# KiCad board sensorboard.kicad_pcb
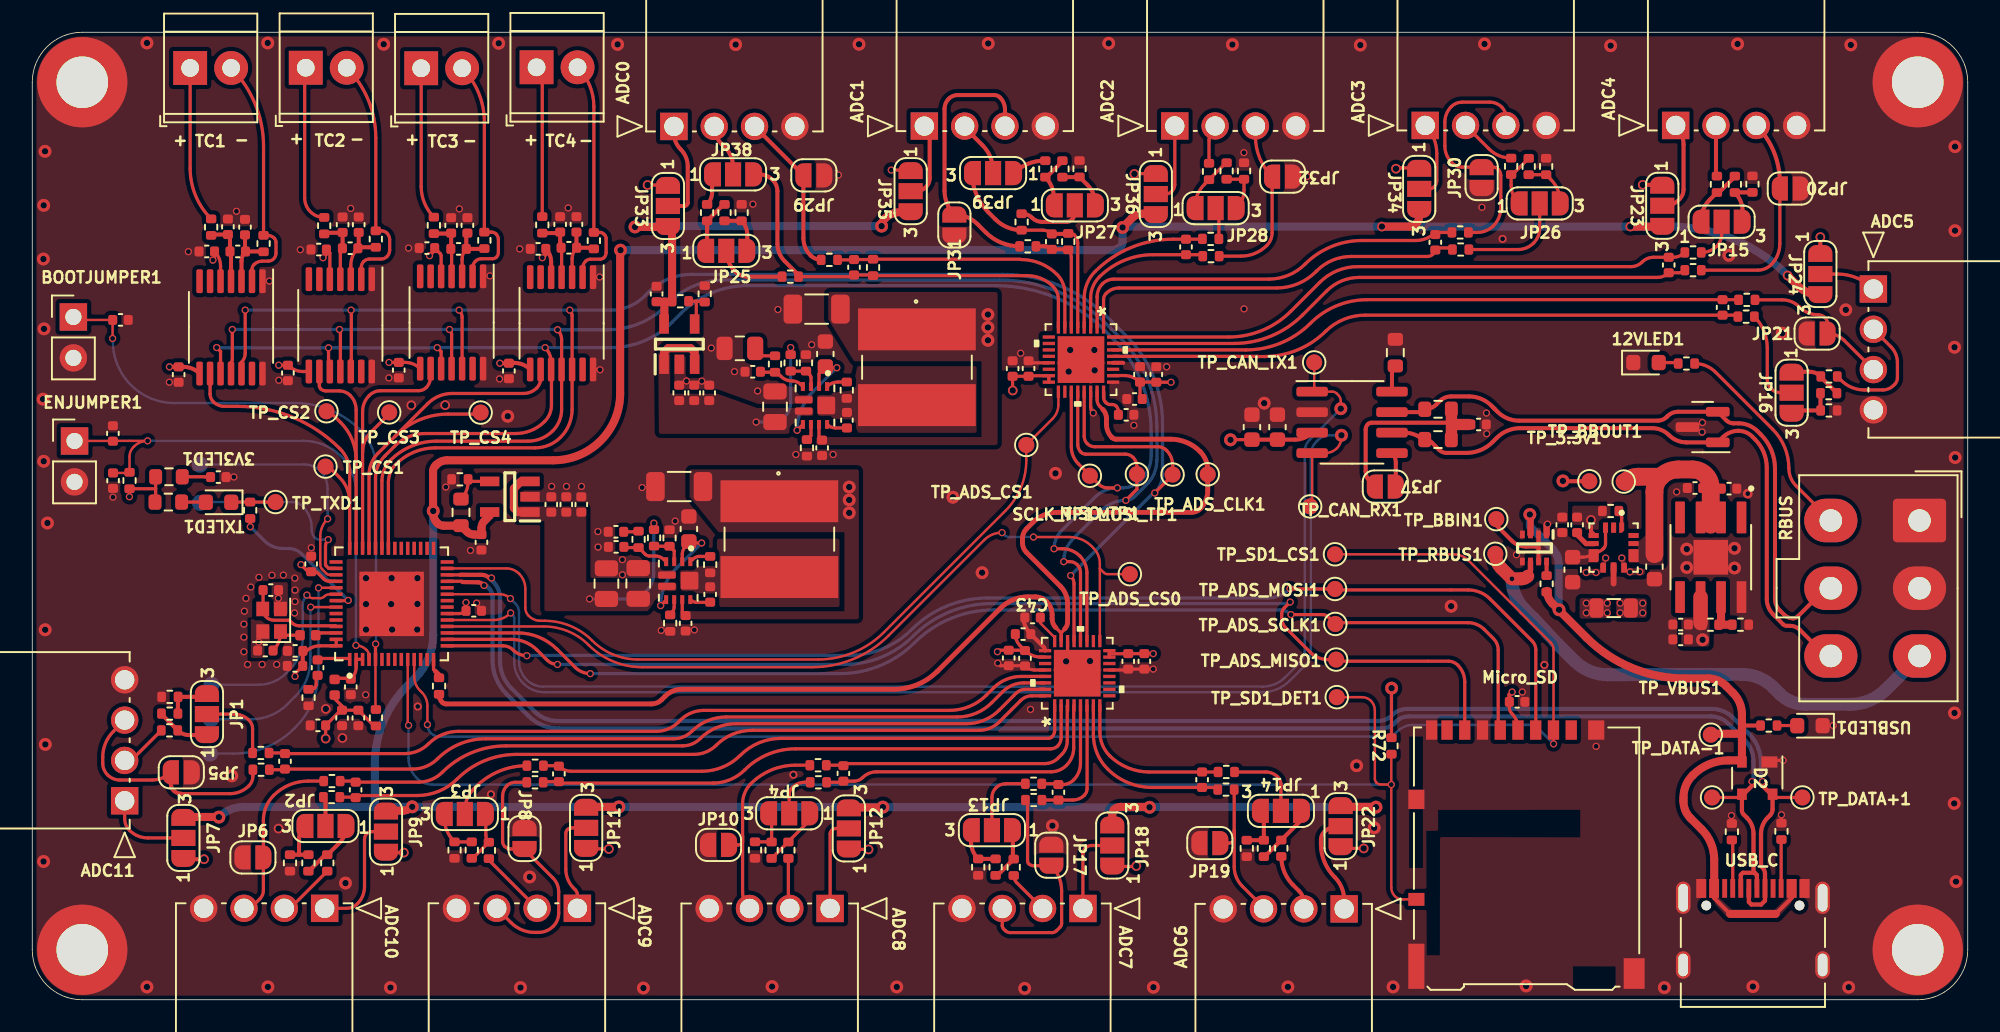
[diagram p0: board, top side]
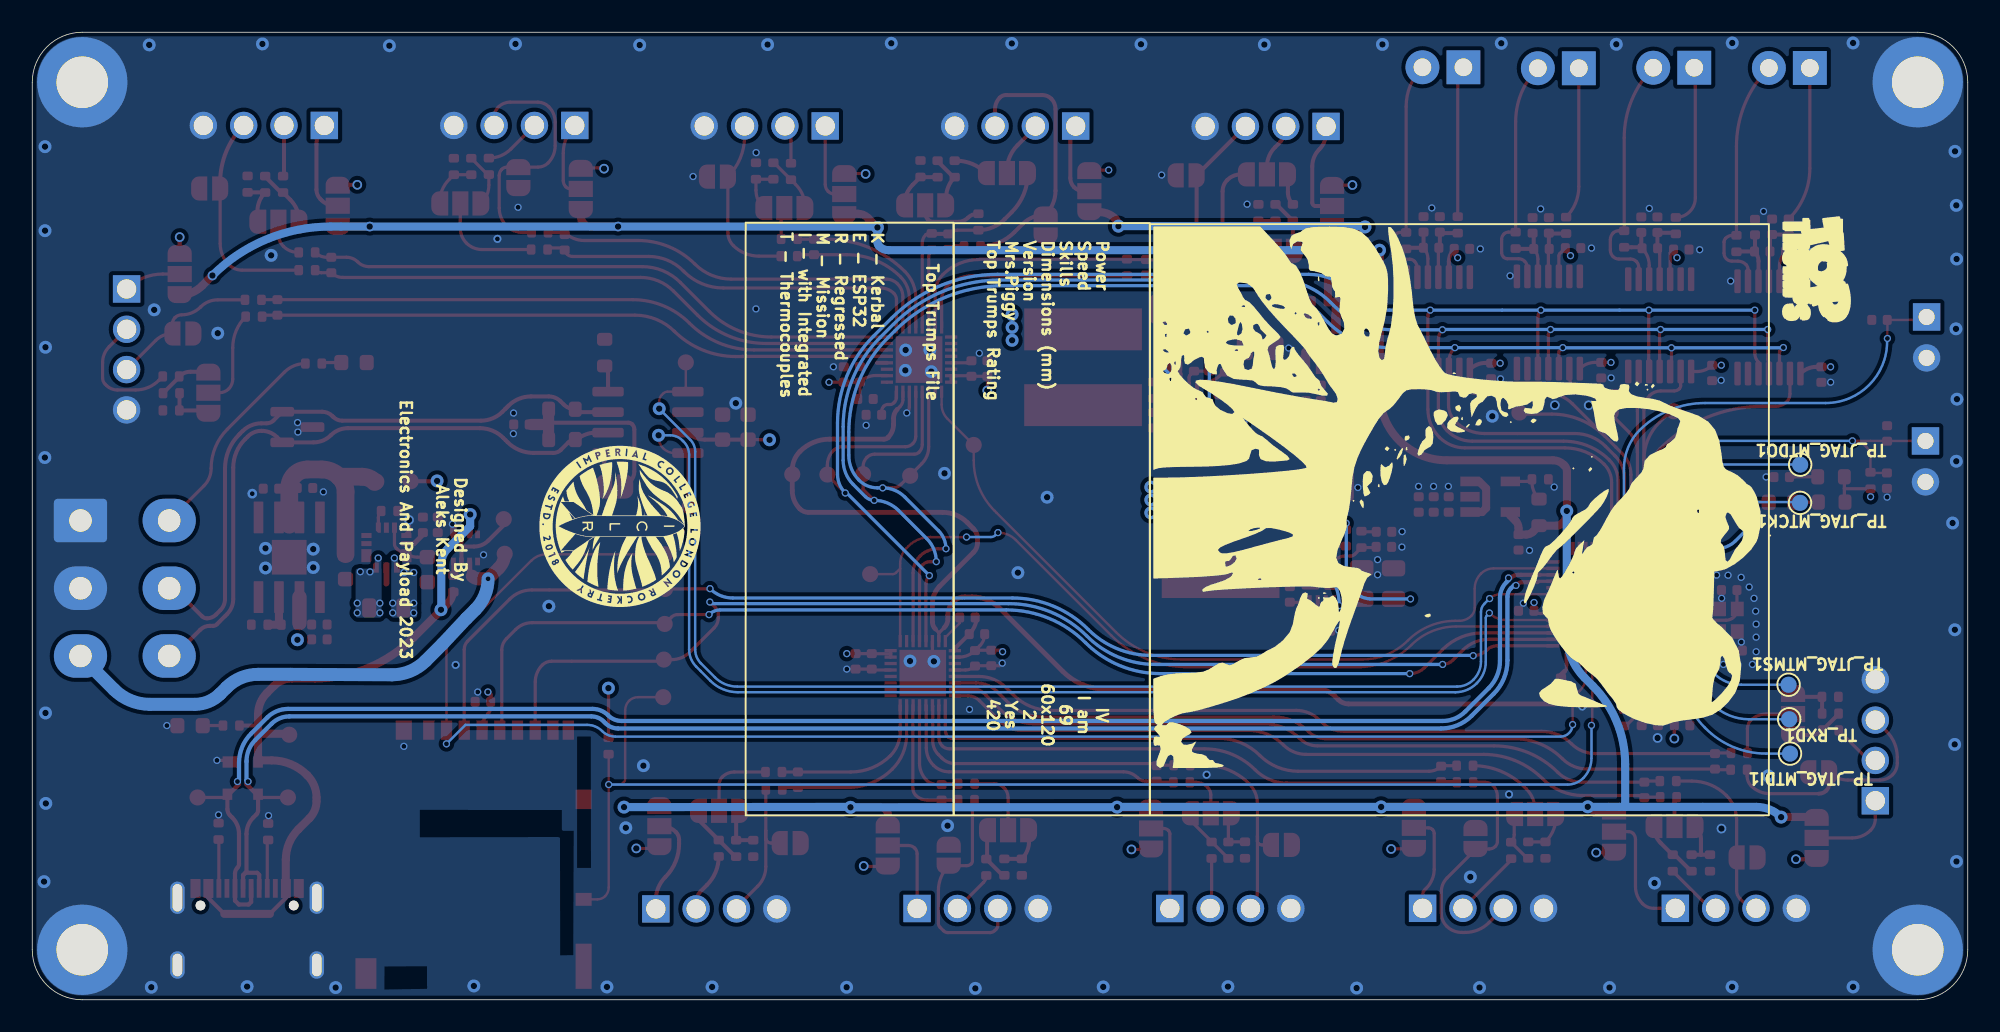
[diagram p1: board, bottom side, seen from below]

Outline 120 x 60 mm; copper layers: Top, In1.Cu, In2.Cu, Bottom. Coordinates in mm from the lower left corner of the outline.
Outline path: 0,56.9 arc(0.91,59.09) 3.1,60 116.9,60 arc(119.09,59.09) 120,56.9 120,3.1 arc(119.09,0.91) 116.9,0 3.1,0 arc(0.91,0.91) 0,3.1 0,56.9
Stack: Top 0.035mm / dielectric 0.2104mm FR4 er 4.5 / In1.Cu 0.0152mm / dielectric 1.065mm FR4 er 4.5 / In2.Cu 0.0152mm / dielectric 0.2104mm FR4 er 4.5 / Bottom 0.035mm

## Placement (name value [footprint] x y rotation side)
3V3LED1  3V3LED  [C_0402_1005Metric]  11.53 32.41 180 top
12VLED1  12V_LED  [LED_0603_1608Metric]  100.05 39.52 0 top
BOOTJUMPER1  Conn_01x02_Male  [PinHeader_1x02_P2.54mm_Vertical]  2.55 42.34 0 top
C1  10uF  [C_0402_1005Metric]  17.71 17.02 180 top
C2  0.1uF  [C_0402_1005Metric]  5 35.12 90 top
C3  1uF  [C_0402_1005Metric]  19.21 17.48 270 top
C4  0.1uF  [C_0402_1005Metric]  20.22 17.48 270 top
C5  0.1uF  [C_0402_1005Metric]  19.75 19.4 270 top
C6  1uF  [C_0402_1005Metric]  5.01 32.19 270 top
C7  1uF  [C_0402_1005Metric]  16.29 20.71 180 top
C8  10nF  [C_0402_1005Metric]  16.3 21.64 180 top
C9  0.1uF  [C_0402_1005Metric]  27.38 24.12 0 top
C10  0.1uF  [C_0402_1005Metric]  17.29 27.03 90 top
C11  4.2pF  [C_0402_1005Metric]  17.69 20.6 90 top
C12  0.1uF  [C_0402_1005Metric]  5.47 42.16 0 top
C13  C  [C_0402_1005Metric]  14.79 25.41 0 top
C14  C  [C_0402_1005Metric]  14.45 21.66 180 top
C15  0.01uF  [C_0402_1005Metric]  19.24 48.07 270 top
C16  0.1uF  [C_0402_1005Metric]  19.71 46.61 0 top
C17  0.01uF  [C_0402_1005Metric]  20.24 48.07 90 top
C18  0.1uF  [C_0402_1005Metric]  17.76 46.53 0 top
C19  0.01uF  [C_0402_1005Metric]  25.97 48.02 270 top
C20  0.1uF  [C_0402_1005Metric]  26.43 46.56 0 top
C21  0.01uF  [C_0402_1005Metric]  26.98 48.02 90 top
C22  0.1uF  [C_0402_1005Metric]  24.47 46.62 0 top
C23  0.01uF  [C_0402_1005Metric]  12.13 47.94 270 top
C24  0.1uF  [C_0402_1005Metric]  12.74 46.41 0 top
C25  0.01uF  [C_0402_1005Metric]  13.19 47.92 90 top
C26  0.1uF  [C_0402_1005Metric]  10.82 46.41 0 top
C27  0.01uF  [C_0402_1005Metric]  32.73 48.09 270 top
C28  0.1uF  [C_0402_1005Metric]  33.27 46.64 0 top
C29  0.01uF  [C_0402_1005Metric]  33.74 48.09 90 top
C30  0.1uF  [C_0402_1005Metric]  31.36 46.57 0 top
C31  10uF  [C_0402_1005Metric]  94.86 29.45 90 top
C32  10uF  [C_0603_1608Metric]  95.5 26.67 270 top
C33  1uF  [C_0402_1005Metric]  95.78 29.45 90 top
C34  22uF  [C_0603_1608Metric]  100.58 26.86 270 top
C35  10uF  [C_0402_1005Metric]  105.2 31.7 0 top
C36  4.7uF  [C_0402_1005Metric]  103.09 31.74 180 top
C37  10uF  [C_0402_1005Metric]  102.2 23.27 0 top
C38  0.1uF  [C_0402_1005Metric]  102.2 22.35 0 top
C39  1uF  [C_0402_1005Metric]  67.95 20.99 90 top
C40  1uF  [C_0402_1005Metric]  61.77 39.15 270 top
C41  0.1uF  [C_0402_1005Metric]  61.43 22.68 0 top
C42  0.1uF  [C_0402_1005Metric]  68.34 37.26 180 top
C43  220nF  [C_0402_1005Metric]  62.02 23.71 180 top
C44  220nF  [C_0402_1005Metric]  67.82 36.28 0 top
C45  10uF  [C_0402_1005Metric]  68.95 20.99 270 top
C46  0.1uF  [C_0402_1005Metric]  61.55 21.18 270 top
C47  10uF  [C_0402_1005Metric]  60.78 39.15 90 top
C48  0.1uF  [C_0402_1005Metric]  68.68 38.79 90 top
C49  100nF  [C_0402_1005Metric]  60.54 21.2 270 top
C50  100nF  [C_0402_1005Metric]  69.69 38.78 90 top
C51  100nF  [C_0402_1005Metric]  40.51 23.35 270 top
C52  47uF  [C_1206_3216Metric]  40.11 31.83 180 top
C53  10uF  [C_0603_1608Metric]  40.71 29.2 90 top
C54  22uF  [C_0805_2012Metric]  37.57 25.82 90 top
C55  10uF  [C_0603_1608Metric]  49.17 40.05 90 top
C56  120pF  [C_0402_1005Metric]  44.67 38.95 180 top
C57  2.2nF  [C_0805_2012Metric]  43.87 40.4 180 top
C58  100nF  [C_0603_1608Metric]  77.2 35.51 90 top
C59  10uF  [C_0603_1608Metric]  75.62 35.51 90 top
C60  47nF  [C_0402_1005Metric]  89.67 35.68 0 top
C61  0.1uF  [C_0402_1005Metric]  15.85 38.87 90 top
C62  0.1uF  [C_0402_1005Metric]  22.73 39.05 90 top
C63  10nF  [C_0402_1005Metric]  15.67 14.79 270 top
C64  10nF  [C_0402_1005Metric]  20.05 13.02 90 top
C65  10nF  [C_0402_1005Metric]  32.65 14.01 270 top
C66  10nF  [C_0402_1005Metric]  50.29 14.04 90 top
C67  10nF  [C_0402_1005Metric]  63.62 12.87 270 top
C68  10nF  [C_0402_1005Metric]  72.53 13.65 270 top
C69  10nF  [C_0402_1005Metric]  101.46 45.57 270 top
C70  10nF  [C_0402_1005Metric]  104.8 42.94 90 top
C71  10nF  [C_0402_1005Metric]  50.95 45.43 90 top
C72  10nF  [C_0402_1005Metric]  86.99 46.98 90 top
C73  10nF  [C_0402_1005Metric]  63.21 47.02 270 top
C74  10nF  [C_0402_1005Metric]  71.53 46.69 270 top
C75  2.2uF  [C_0402_1005Metric]  27.85 28.37 270 top
C76  1uF  [C_0402_1005Metric]  33.11 30.72 90 top
C77  180pF  [C_0402_1005Metric]  36.2 28.09 180 top
C78  1uF  [C_0402_1005Metric]  41.97 37.64 90 top
C79  3.9nF  [C_0402_1005Metric]  36.19 29.02 180 top
C80  2.2uF  [C_0402_1005Metric]  38.71 43.77 90 top
C81  10uF  [C_0402_1005Metric]  34.04 30.72 90 top
C82  100nF  [C_0402_1005Metric]  32.18 30.72 90 top
C83  10uF  [C_0402_1005Metric]  40.11 37.64 90 top
C84  100nF  [C_0402_1005Metric]  41.04 37.64 90 top
C85  0.1uF  [C_0402_1005Metric]  9.08 38.77 90 top
C86  0.1uF  [C_0402_1005Metric]  29.55 39 90 top
C87  100nF  [C_0402_1005Metric]  42.03 25.14 90 top
C88  22uF  [C_0805_2012Metric]  35.6 25.81 90 top
C89  22uF  [C_0805_2012Metric]  46.05 36.78 90 top
C90  0.1uF  [C_0402_1005Metric]  92.06 18.48 0 top
C91  100nF  [C_0402_1005Metric]  50.51 35.94 90 top
C92  100nF  [C_0402_1005Metric]  48.97 34.23 270 top
C93  22uF  [C_1206_3216Metric]  48.63 42.83 180 top
D2  SP0503BAHT  [SOT-143]  106.95 13.75 270 top
D3  SM712_SOT23  [SOT-23]  103.56 35.52 180 top
ENJUMPER1  Conn_01x02_Male  [PinHeader_1x02_P2.54mm_Vertical]  2.62 34.65 0 top
G***  LOGO  [TopTrumpsSmall]  9.38 45.3 270 bottom
G***#2  LOGO  [Kermit]  29.4 31.88 270 bottom
G***#3  LOGO  [iclr_logo_estd2018_10mm]  83.56 29.35 270 bottom
H1  MountingHole_Pad  [MountingHole_3.2mm_M3_DIN965_Pad]  3.1 56.9 0 top
H2  MountingHole_Pad  [MountingHole_3.2mm_M3_DIN965_Pad]  116.9 3.1 0 top
H3  MountingHole_Pad  [MountingHole_3.2mm_M3_DIN965_Pad]  116.9 56.9 0 top
H4  MountingHole_Pad  [MountingHole_3.2mm_M3_DIN965_Pad]  3.1 3.1 0 top
IC1  AP2205-W5-7  [SOT95P282X145-5N]  29.61 31.2 180 top
IC2  AP2205-W5-7  [SOT95P282X145-5N]  40.12 40.66 90 top
IC3  TPS61089RNRR  [IC_TPS61089RNRR]  40.05 25.99 270 top
IC4  TPS61089RNRR  [IC_TPS61089RNRR]  48.53 36.86 270 top
J1  RBUS  [Molex_Mini-Fit_Jr_5566-06A_2x03_P4.20mm_Vertical]  117.01 29.72 270 top
J3  CON_1053131104  [1053131104]  5.73 12.34 270 top
J4  CON_1053131104  [1053131104]  18.13 5.67 0 top
J5  CON_1053131104  [1053131104]  33.8 5.67 0 top
J6  CON_1053131104  [1053131104]  49.47 5.66 0 top
J7  CON_1053131104  [1053131104]  65.14 5.66 0 top
J8  CON_1053131104  [1053131104]  81.34 5.64 0 top
J9  CON_1053131104  [1053131104]  101.89 54.22 180 top
J10  CON_1053131104  [1053131104]  114.15 44.08 90 top
J11  CON_1053131104  [1053131104]  39.78 54.16 180 top
J12  CON_1053131104  [1053131104]  86.36 54.22 180 top
J13  CON_1053131104  [1053131104]  55.31 54.18 180 top
J14  CON_1053131104  [1053131104]  70.84 54.19 180 top
J15  USB_C_Receptacle_USB2.0  [USB_C_Receptacle_Palconn_UTC16-G]  106.68 4.4 0 top
J16  Micro_SD_Card_Det  [microSD_HC_Hirose_DM3AT-SF-PEJM5]  92.64 9 0 top
JP1  SolderJumper_3_Open  [SolderJumper-3_P1.3mm_Open_RoundedPad1.0x1.5mm_NumberLabels]  10.83 17.72 90 top
JP2  SolderJumper_3_Open  [SolderJumper-3_P1.3mm_Open_RoundedPad1.0x1.5mm_NumberLabels]  18.18 10.78 180 top
JP3  SolderJumper_3_Open  [SolderJumper-3_P1.3mm_Open_RoundedPad1.0x1.5mm_NumberLabels]  26.82 11.52 180 top
JP4  SolderJumper_3_Open  [SolderJumper-3_P1.3mm_Open_RoundedPad1.0x1.5mm_NumberLabels]  46.93 11.56 180 top
JP5  SolderJumper_2_Open  [SolderJumper-2_P1.3mm_Open_RoundedPad1.0x1.5mm]  9.24 14.11 180 top
JP6  SolderJumper_2_Open  [SolderJumper-2_P1.3mm_Open_RoundedPad1.0x1.5mm]  13.68 8.83 0 top
JP7  SolderJumper_3_Open  [SolderJumper-3_P1.3mm_Open_RoundedPad1.0x1.5mm_NumberLabels]  9.37 10.04 90 top
JP8  SolderJumper_2_Open  [SolderJumper-2_P1.3mm_Open_RoundedPad1.0x1.5mm]  30.52 10 270 top
JP9  SolderJumper_3_Open  [SolderJumper-3_P1.3mm_Open_RoundedPad1.0x1.5mm_NumberLabels]  21.93 10.43 90 top
JP10  SolderJumper_2_Open  [SolderJumper-2_P1.3mm_Open_RoundedPad1.0x1.5mm]  42.55 9.6 0 top
JP11  SolderJumper_3_Open  [SolderJumper-3_P1.3mm_Open_RoundedPad1.0x1.5mm_NumberLabels]  34.34 10.66 90 top
JP12  SolderJumper_3_Open  [SolderJumper-3_P1.3mm_Open_RoundedPad1.0x1.5mm_NumberLabels]  50.63 10.62 90 top
JP13  SolderJumper_3_Open  [SolderJumper-3_P1.3mm_Open_RoundedPad1.0x1.5mm_NumberLabels]  59.5 10.52 180 top
JP14  SolderJumper_3_Open  [SolderJumper-3_P1.3mm_Open_RoundedPad1.0x1.5mm_NumberLabels]  77.42 11.72 180 top
JP15  SolderJumper_3_Open  [SolderJumper-3_P1.3mm_Open_RoundedPad1.0x1.5mm_NumberLabels]  104.74 48.25 0 top
JP16  SolderJumper_3_Open  [SolderJumper-3_P1.3mm_Open_RoundedPad1.0x1.5mm_NumberLabels]  109.08 37.65 270 top
JP17  SolderJumper_2_Open  [SolderJumper-2_P1.3mm_Open_RoundedPad1.0x1.5mm]  63.18 8.97 270 top
JP18  SolderJumper_3_Open  [SolderJumper-3_P1.3mm_Open_RoundedPad1.0x1.5mm_NumberLabels]  66.96 9.57 90 top
JP19  SolderJumper_2_Open  [SolderJumper-2_P1.3mm_Open_RoundedPad1.0x1.5mm]  73.01 9.72 0 top
JP20  SolderJumper_2_Open  [SolderJumper-2_P1.3mm_Open_RoundedPad1.0x1.5mm]  109 50.31 180 top
JP21  SolderJumper_2_Open  [SolderJumper-2_P1.3mm_Open_RoundedPad1.0x1.5mm]  110.66 41.32 0 top
JP22  SolderJumper_3_Open  [SolderJumper-3_P1.3mm_Open_RoundedPad1.0x1.5mm_NumberLabels]  81.12 10.77 90 top
JP23  SolderJumper_3_Open  [SolderJumper-3_P1.3mm_Open_RoundedPad1.0x1.5mm_NumberLabels]  101.06 49.24 270 top
JP24  SolderJumper_3_Open  [SolderJumper-3_P1.3mm_Open_RoundedPad1.0x1.5mm_NumberLabels]  110.86 45.01 270 top
JP25  SolderJumper_3_Open  [SolderJumper-3_P1.3mm_Open_RoundedPad1.0x1.5mm_NumberLabels]  43.03 46.45 0 top
JP26  SolderJumper_3_Open  [SolderJumper-3_P1.3mm_Open_RoundedPad1.0x1.5mm_NumberLabels]  93.46 49.39 0 top
JP27  SolderJumper_3_Open  [SolderJumper-3_P1.3mm_Open_RoundedPad1.0x1.5mm_NumberLabels]  64.64 49.27 0 top
JP28  SolderJumper_3_Open  [SolderJumper-3_P1.3mm_Open_RoundedPad1.0x1.5mm_NumberLabels]  73.37 49.1 0 top
JP29  SolderJumper_2_Open  [SolderJumper-2_P1.3mm_Open_RoundedPad1.0x1.5mm]  48.46 51.13 180 top
JP30  SolderJumper_2_Open  [SolderJumper-2_P1.3mm_Open_RoundedPad1.0x1.5mm]  89.86 50.99 90 top
JP31  SolderJumper_2_Open  [SolderJumper-2_P1.3mm_Open_RoundedPad1.0x1.5mm]  57.17 48.05 90 top
JP32  SolderJumper_2_Open  [SolderJumper-2_P1.3mm_Open_RoundedPad1.0x1.5mm]  77.52 51.05 180 top
JP33  SolderJumper_3_Open  [SolderJumper-3_P1.3mm_Open_RoundedPad1.0x1.5mm_NumberLabels]  39.41 49.23 270 top
JP34  SolderJumper_3_Open  [SolderJumper-3_P1.3mm_Open_RoundedPad1.0x1.5mm_NumberLabels]  85.99 50.29 270 top
JP35  SolderJumper_3_Open  [SolderJumper-3_P1.3mm_Open_RoundedPad1.0x1.5mm_NumberLabels]  54.46 50.15 270 top
JP36  SolderJumper_3_Open  [SolderJumper-3_P1.3mm_Open_RoundedPad1.0x1.5mm_NumberLabels]  69.66 49.97 270 top
JP37  TermJP  [SolderJumper-2_P1.3mm_Open_RoundedPad1.0x1.5mm]  83.89 31.83 180 top
JP38  SolderJumper_3_Open  [SolderJumper-3_P1.3mm_Open_RoundedPad1.0x1.5mm_NumberLabels]  43.45 51.19 0 top
JP39  SolderJumper_3_Open  [SolderJumper-3_P1.3mm_Open_RoundedPad1.0x1.5mm_NumberLabels]  59.57 51.27 180 top
L1  2.0nH  [L_0402_1005Metric]  18.75 19.38 90 top
L2  20nH  [L_0402_1005Metric]  17.09 22.61 180 top
L3  1uH  [L_0805_2012Metric]  98.05 24.29 0 top
L4  SRR6038-5R0Y  [SRR6038]  46.32 28.57 0 top
L5  SRR6038-5R0Y  [SRR6038]  54.85 39.23 0 top
MISO_TP1  TestPoint  [TestPoint_Pad_D1.0mm]  68.49 32.6 0 top
MOSI_TP1  TestPoint  [TestPoint_Pad_D1.0mm]  70.7 32.57 0 top
R1  470  [R_0603_1608Metric]  8.44 30.86 0 top
R2  470  [R_0603_1608Metric]  8.48 32.43 180 top
R3  10K  [R_0402_1005Metric]  6.03 32.2 90 top
R4  47.5  [R_0402_1005Metric]  17.13 18.74 90 top
R5  3k  [R_0402_1005Metric]  102.56 39.46 180 top
R6  499  [R_0402_1005Metric]  13.51 30.36 270 top
R7  10K  [R_0402_1005Metric]  21.31 17.49 90 top
R8  100  [R_0402_1005Metric]  18.1 48.01 90 top
R9  100  [R_0402_1005Metric]  21.3 47.18 270 top
R10  100  [R_0402_1005Metric]  24.9 48.02 90 top
R11  100  [R_0402_1005Metric]  28.03 47.09 270 top
R12  100  [R_0402_1005Metric]  11.09 47.92 90 top
R13  100  [R_0402_1005Metric]  14.34 46.9 270 top
R14  100  [R_0402_1005Metric]  31.62 48.06 90 top
R15  100  [R_0402_1005Metric]  34.82 47.08 270 top
R16  10k  [R_0402_1005Metric]  93.89 25.8 90 top
R17  14k  [R_0402_1005Metric]  97.86 30.31 180 top
R18  56k  [R_0402_1005Metric]  104.05 23.26 0 top
R19  10k  [R_0402_1005Metric]  105.91 23.26 0 top
R20  54.9R  [R_0402_1005Metric]  25.22 19.46 270 top
R21  7.87k  [R_0402_1005Metric]  37.59 28.55 90 top
R22  6.2k  [R_0402_1005Metric]  8.52 17.75 0 top
R23  12k  [R_0402_1005Metric]  8.53 18.79 180 top
R24  6.2k  [R_0402_1005Metric]  17.12 8.49 90 top
R25  12k  [R_0402_1005Metric]  15.98 8.49 270 top
R26  6.2k  [R_0402_1005Metric]  27.25 9.28 90 top
R27  12k  [R_0402_1005Metric]  26.18 9.28 270 top
R28  32k  [R_0402_1005Metric]  8.51 16.71 180 top
R29  6.2k  [R_0402_1005Metric]  45.84 9.27 90 top
R30  12k  [R_0402_1005Metric]  44.81 9.28 270 top
R31  32k  [R_0402_1005Metric]  18.29 8.49 270 top
R32  32k  [R_0402_1005Metric]  28.31 9.26 270 top
R33  32k  [R_0402_1005Metric]  46.88 9.27 270 top
R34  6.2k  [R_0402_1005Metric]  59.73 8.23 90 top
R35  12k  [R_0402_1005Metric]  58.65 8.23 270 top
R36  32k  [R_0402_1005Metric]  60.85 8.22 270 top
R37  6.2k  [R_0402_1005Metric]  76.36 9.39 90 top
R38  12k  [R_0402_1005Metric]  75.3 9.39 270 top
R39  6.2k  [R_0402_1005Metric]  105.56 50.57 270 top
R40  12k  [R_0402_1005Metric]  106.65 50.58 90 top
R41  6.2k  [R_0402_1005Metric]  111.38 37.62 180 top
R42  12k  [R_0402_1005Metric]  111.39 36.55 0 top
R43  32k  [R_0402_1005Metric]  77.44 9.4 270 top
R44  32k  [R_0402_1005Metric]  104.45 50.57 90 top
R45  32k  [R_0402_1005Metric]  111.4 38.66 0 top
R46  6.04R  [R_0402_1005Metric]  42.92 48.82 270 top
R47  15.8R  [R_0402_1005Metric]  43.98 48.82 90 top
R48  6.2k  [R_0402_1005Metric]  92.78 51.68 270 top
R49  12k  [R_0402_1005Metric]  93.86 51.68 90 top
R50  6.04R  [R_0402_1005Metric]  63.87 51.52 270 top
R51  15.8R  [R_0402_1005Metric]  64.93 51.53 90 top
R52  6.2k  [R_0402_1005Metric]  74.05 51.4 270 top
R53  12k  [R_0402_1005Metric]  75.13 51.4 90 top
R54  15.8R  [R_0402_1005Metric]  41.84 48.82 90 top
R55  32k  [R_0402_1005Metric]  91.69 51.69 90 top
R56  15.8R  [R_0402_1005Metric]  62.81 51.52 90 top
R57  32k  [R_0402_1005Metric]  72.96 51.37 90 top
R58  360k  [R_0402_1005Metric]  38.55 28.65 90 top
R59  100k  [R_0402_1005Metric]  39.51 28.64 270 top
R60  49  [R_0402_1005Metric]  52.13 45.42 90 top
R61  49  [R_0402_1005Metric]  64.23 47.02 270 top
R62  560k  [R_0402_1005Metric]  39.55 23.36 90 top
R63  309k  [R_0402_1005Metric]  42.03 26.99 270 top
R64  18.7k  [R_0402_1005Metric]  46.05 39.43 90 top
R65  953k  [R_0402_1005Metric]  47.02 39.5 90 top
R66  5.1k  [R_0402_1005Metric]  105.38 10.42 90 top
R67  5.1k  [R_0402_1005Metric]  108.45 10.45 270 top
R68  470  [R_0402_1005Metric]  107.67 17.01 0 top
R69  0  [R_0603_1608Metric]  84.51 40.13 90 top
R70  60  [R_0603_1608Metric]  87.16 36.62 0 top
R71  60  [R_0603_1608Metric]  87.16 34.74 180 top
R72  10k  [R_0402_1005Metric]  84.27 15.74 270 top
R73  1k  [R_0402_1005Metric]  14.17 15.31 0 top
R74  1k  [R_0402_1005Metric]  18.56 12.57 0 top
R75  1k  [R_0402_1005Metric]  31.18 14.52 0 top
R76  1k  [R_0402_1005Metric]  48.74 13.49 0 top
R77  1k  [R_0402_1005Metric]  14.19 14.27 0 top
R78  1k  [R_0402_1005Metric]  18.58 13.56 0 top
R79  1k  [R_0402_1005Metric]  31.17 13.49 0 top
R80  1k  [R_0402_1005Metric]  48.72 14.55 0 top
R81  1k  [R_0402_1005Metric]  62.08 13.4 0 top
R82  1k  [R_0402_1005Metric]  74.03 14.13 180 top
R83  1k  [R_0402_1005Metric]  102.97 46.35 180 top
R84  1k  [R_0402_1005Metric]  106.26 42.37 180 top
R85  1k  [R_0402_1005Metric]  62.09 12.39 0 top
R86  1k  [R_0402_1005Metric]  74.01 13.04 180 top
R87  1k  [R_0402_1005Metric]  102.97 45.25 180 top
R88  1k  [R_0402_1005Metric]  106.3 43.41 180 top
R89  1k  [R_0402_1005Metric]  47 44.85 0 top
R90  1k  [R_0402_1005Metric]  88.56 46.53 180 top
R91  1k  [R_0402_1005Metric]  61.34 48.24 270 top
R92  1k  [R_0402_1005Metric]  73.06 47.19 180 top
R93  1k  [R_0402_1005Metric]  49.42 45.89 0 top
R94  1k  [R_0402_1005Metric]  88.53 47.59 180 top
R95  1k  [R_0402_1005Metric]  61.72 46.73 0 top
R96  1k  [R_0402_1005Metric]  73.08 46.12 180 top
R97  152k  [R_0603_1608Metric]  26.58 30.23 270 top
R98  50k  [R_0402_1005Metric]  26.51 32.28 0 top
R99  118k  [R_0402_1005Metric]  47.97 39.5 270 top
R100  475k  [R_0402_1005Metric]  48.03 34.23 90 top
R101  360k  [R_0402_1005Metric]  40.18 43.32 180 top
R102  51k  [R_0402_1005Metric]  41.69 43.78 270 top
R103  287k  [R_0402_1005Metric]  50.5 37.8 270 top
SCLK_TP1  TestPoint  [TestPoint_Pad_D1.0mm]  65.57 32.5 0 top
TC1  Thermocouple  [TerminalBlock_TE_282834-2_1x02_P2.54mm_Horizontal]  9.79 57.79 0 top
TC2  Thermocouple  [TerminalBlock_TE_282834-2_1x02_P2.54mm_Horizontal]  16.96 57.8 0 top
TC3  Thermocouple  [TerminalBlock_TE_282834-2_1x02_P2.54mm_Horizontal]  24.11 57.77 0 top
TC4  Thermocouple  [TerminalBlock_TE_282834-2_1x02_P2.54mm_Horizontal]  31.27 57.83 0 top
TP_3.3v1  TestPoint  [TestPoint_Pad_D1.0mm]  96.54 32.16 0 top
TP_ADS_CLK1  TestPoint  [TestPoint_Pad_D1.0mm]  72.88 32.59 0 top
TP_ADS_CS0  TestPoint  [TestPoint_Pad_D1.0mm]  68.05 26.4 0 top
TP_ADS_CS1  TestPoint  [TestPoint_Pad_D1.0mm]  61.63 34.41 0 top
TP_ADS_MISO1  TestPoint  [TestPoint_Pad_D1.0mm]  80.84 21.1 0 top
TP_ADS_MOSI1  TestPoint  [TestPoint_Pad_D1.0mm]  80.77 25.48 0 top
TP_ADS_SCLK1  TestPoint  [TestPoint_Pad_D1.0mm]  80.79 23.31 0 top
TP_BBIN1  TestPoint  [TestPoint_Pad_D1.0mm]  90.77 29.81 0 top
TP_BBOUT1  TestPoint  [TestPoint_Pad_D1.0mm]  98.67 32.14 0 top
TP_CAN_RX1  TestPoint  [TestPoint_Pad_D1.0mm]  79.23 30.6 0 top
TP_CAN_TX1  TestPoint  [TestPoint_Pad_D1.0mm]  79.48 39.53 0 top
TP_CS1  TestPoint  [TestPoint_Pad_D1.0mm]  18.18 33.07 0 top
TP_CS2  TestPoint  [TestPoint_Pad_D1.0mm]  18.24 36.5 0 top
TP_CS3  TestPoint  [TestPoint_Pad_D1.0mm]  22.13 36.43 0 top
TP_CS4  TestPoint  [TestPoint_Pad_D1.0mm]  27.8 36.42 0 top
TP_DATA+1  TestPoint  [TestPoint_Pad_D1.0mm]  109.75 12.55 0 top
TP_DATA-1  TestPoint  [TestPoint_Pad_D1.0mm]  104.15 12.55 0 top
TP_JTAG_MTCK1  TestPoint  [TestPoint_Pad_D1.0mm]  10.4 30.82 180 bottom
TP_JTAG_MTDI1  TestPoint  [TestPoint_Pad_D1.0mm]  11.02 15.27 180 bottom
TP_JTAG_MTDO1  TestPoint  [TestPoint_Pad_D1.0mm]  10.39 33.19 180 bottom
TP_JTAG_MTMS1  TestPoint  [TestPoint_Pad_D1.0mm]  11.11 19.54 180 bottom
TP_RBUS1  TestPoint  [TestPoint_Pad_D1.0mm]  90.71 27.66 0 top
TP_RXD1  TestPoint  [TestPoint_Pad_D1.0mm]  11.07 17.4 180 bottom
TP_SD1_CS1  TestPoint  [TestPoint_Pad_D1.0mm]  80.77 27.63 0 top
TP_SD1_DET1  TestPoint  [TestPoint_Pad_D1.0mm]  80.88 18.77 0 top
TP_TXD1  TestPoint  [TestPoint_Pad_D1.0mm]  15.08 30.87 0 top
TP_VBUS1  TestPoint  [TestPoint_Pad_D1.0mm]  104.07 16.44 0 top
TXLED1  TX_LED  [LED_0603_1608Metric]  11.55 30.85 180 top
U1  ESP32-S3  [QFN40P700X700X90-57N]  22.28 24.55 90 top
U2  MAX31856  [TSSOP-14_4.4x5mm_P0.65mm]  19.1 41.82 270 top
U3  MAX31856  [TSSOP-14_4.4x5mm_P0.65mm]  26 42 270 top
U4  MAX31856  [TSSOP-14_4.4x5mm_P0.65mm]  12.32 41.7 270 top
U5  MAX31856  [TSSOP-14_4.4x5mm_P0.65mm]  32.82 41.95 270 top
U6  LM66200DRLR  [SOTFL50P160X60-8N]  93.14 28.02 270 top
U7  MAX77827AEFD+T  [CONV_MAX77827AEFD+T]  98.04 28.04 270 top
U8  SC4215  [SOIC127P599X175-9N]  104.07 27.44 270 top
U9  QFN_M06IRSNR_TEX  [ADS131M06IRSNR]  64.79 20.25 90 top
U10  QFN_M06IRSNR_TEX  [ADS131M06IRSNR]  65.02 39.7 270 top
U13  SN65HVD230  [SOIC-8_3.9x4.9mm_P1.27mm]  81.83 35.81 0 top
USBLED1  USB_LED  [LED_0603_1608Metric]  110.22 17 180 top
Y1  40MHz±10ppm  [Crystal_SMD_2016-4Pin_2.0x1.6mm]  14.84 23.54 90 top
